# Allegro board STANDARD.brd (continued)
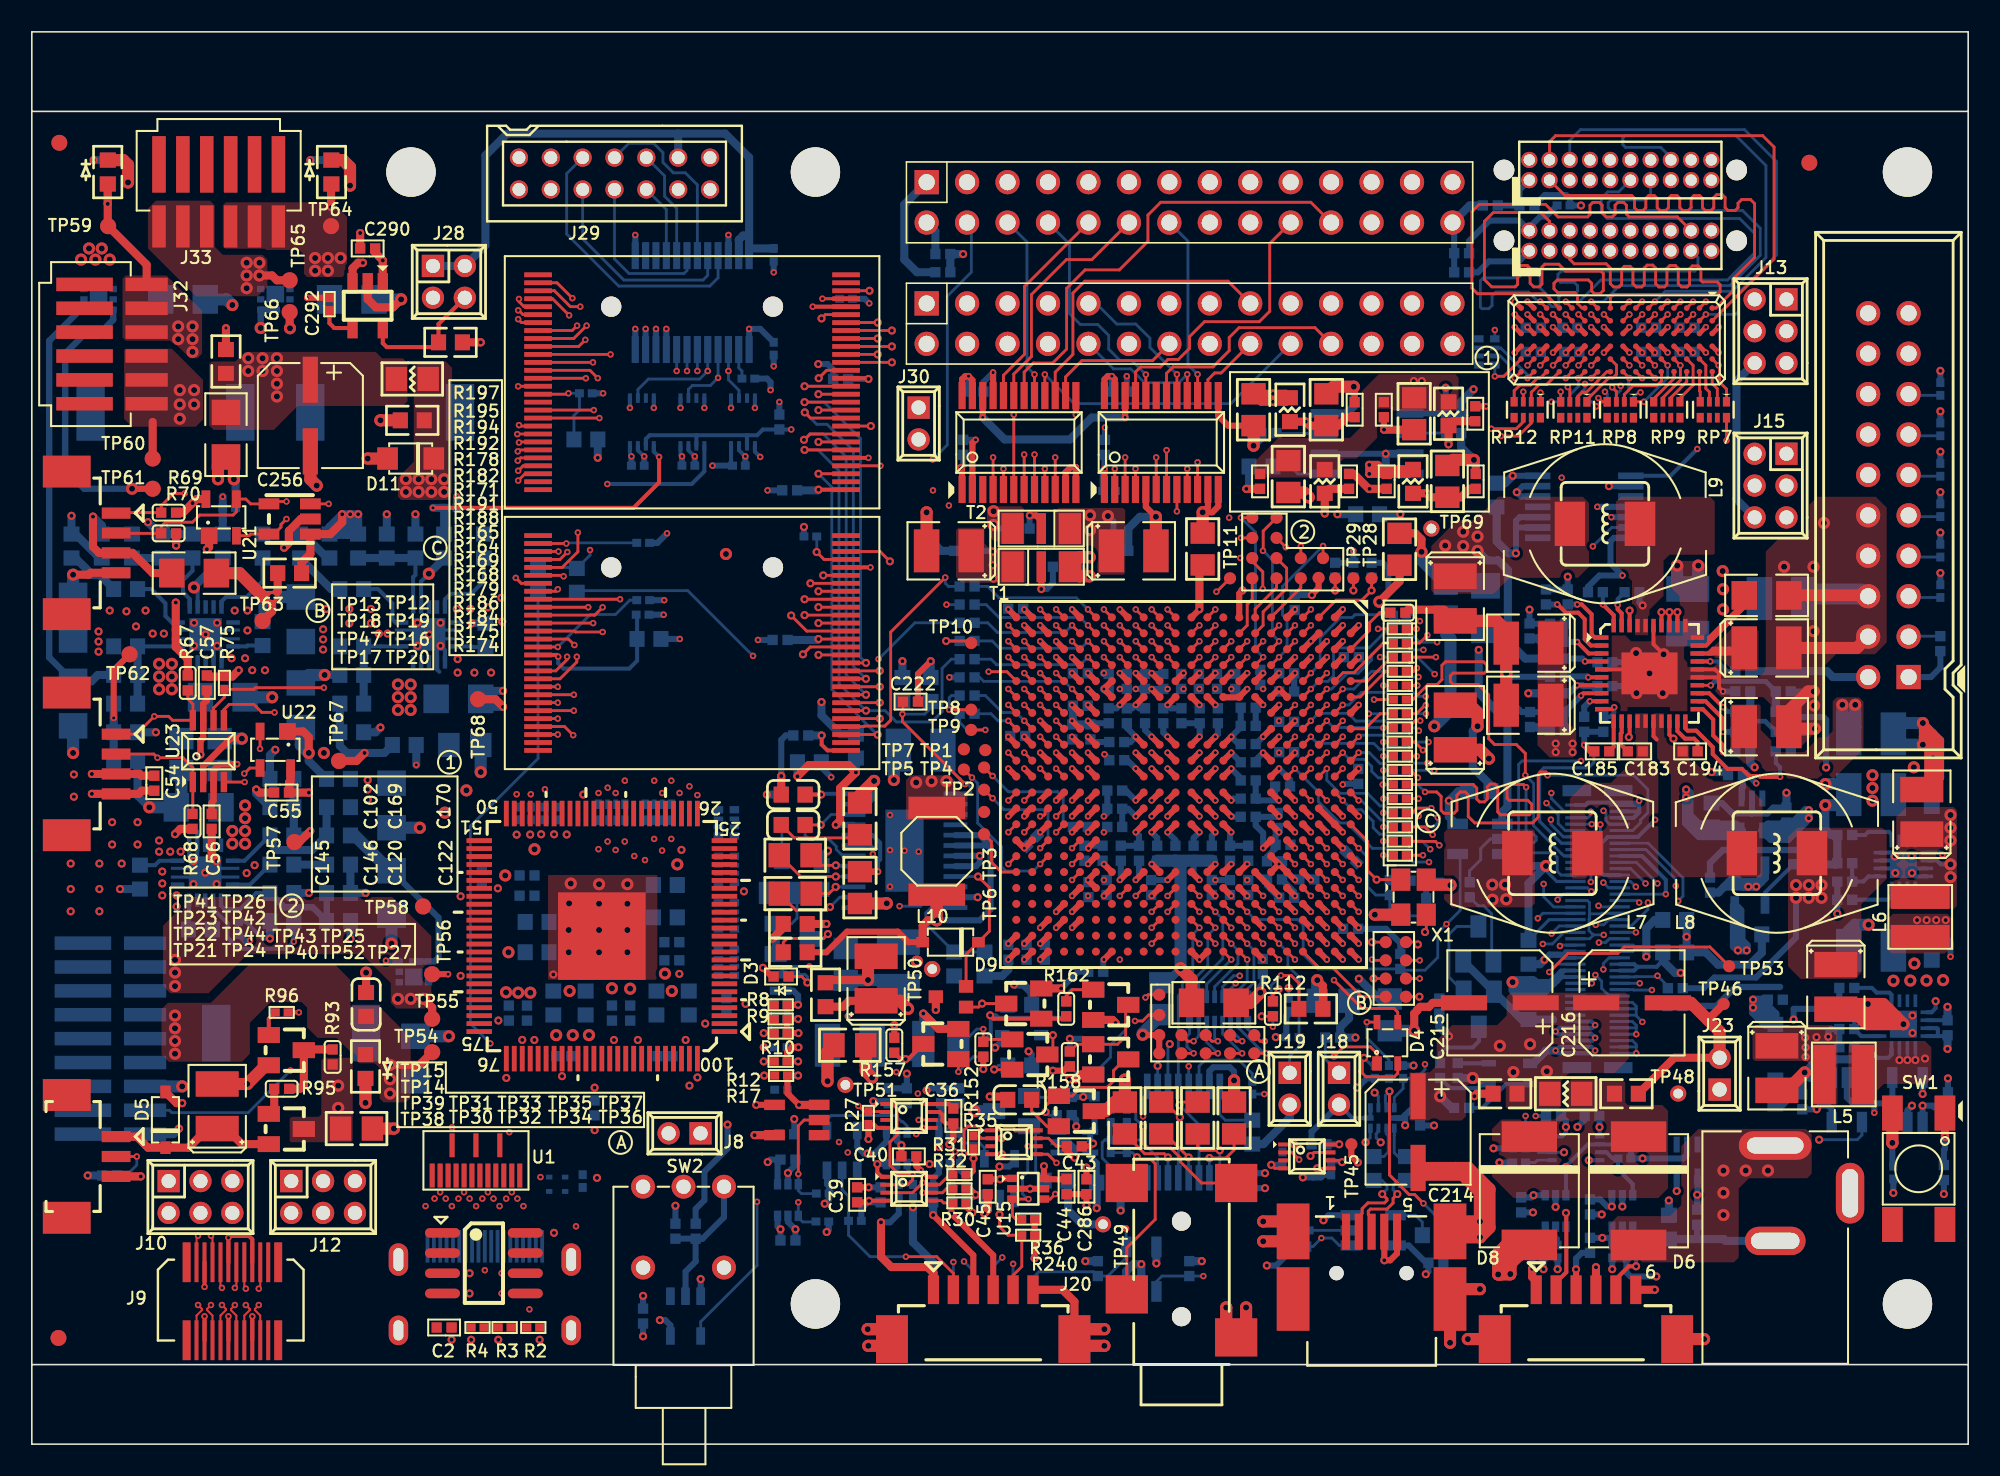
[diagram p0: board, top side]
## Nets (continued)

## Via types
v1: diameter 0.508, hole 0.254, TOP to BOTTOM, 502 vias
v2: diameter 0.762, hole 0.381, TOP to BOTTOM, 264 vias
v3: diameter 0.406, hole 0.203, TOP to BOTTOM, 914 vias

## Routing (per net, layer and track width the routed paths; a pad name or vN(x,y) marks a point on that pad's centre or on a via; arc(x,y) is an arc through that point)
GND: length 968
  TOP w0.178: U20.33 v1(53.25,45.59) ; v1(80.3,18.11) 80.52,18.33 U25.7 ; v1(77.84,17.55) 78.06,17.33 U25.4 ; U14.7 63.84,19.22 64.35,18.72 C43.2 ; U14.4 v1(60.92,18.22)
  TOP w0.245: v3(106.21,47.3) 105.95,47.55 105.95,48.18 ; U33.26 105.71,48.68 105.95,48.43 105.95,48.18 ; U19.33 v3(52.54,61.97) ; 105.95,48.18 U33.25 ; U33.5 101.34,48.68 v2(101.59,48.43) ; v2(102.47,49.63) 101.84,50.26 U33.35
  TOP w0.254: U10.7 57,20.87 57.19,20.68 57.19,20.35 57.39,20.15 C36.2 ; J9.16 13.84,12.88 13.64,13.08 12.45,13.08 v3(12.34,12.98) J9.10 ; J9.9 v3(12.34,8.03) ; U10.4 53.1,19.87 52.87,20.09 R27.2 ; J9.4 v3(10.84,9.88) ; v1(52.58,15.29) 52.66,15.29 52.68,15.3 U12.4 ; R35.2 v1(59.14,17.95) 59.14,17.14 58.94,16.94 R31.2 ; U19.52 v3(49.04,71.47) ; U20.52 v3(52.66,55.09) ; J9.3 v3(10.84,8.03) ; J9.15 v3(13.84,8.03)
  TOP w0.3: U6.R1 v3(93.93,71.78) ; U6.G3 v3(101.13,70.18) ; U6.K3 v3(97.93,70.18) ; U6.T1 v3(93.13,71.78) ; U6.M4 v3(96.33,68.58) ; U6.G4 v3(101.13,68.58) ; U6.E3 v3(102.73,70.18) ; U6.M3 v3(96.33,70.18) ; U6.B4 v3(105.13,68.58) ; U6.R2 v3(93.93,70.98) ; U6.N3 v3(95.53,70.18) ; U6.E4 v3(102.73,68.58) ; U6.D4 v3(103.53,68.58) ; U6.T2 v3(93.13,70.98) ; U6.T3 v3(93.13,70.18) ; U6.A3 v3(105.93,70.18) ; U6.J3 v3(98.73,70.18) ; U6.B3 v3(105.13,70.18) ; U6.D3 v3(103.53,70.18) ; U6.H3 v3(100.33,70.18) ; U6.N4 v3(95.53,68.58) ; U6.K4 v3(97.93,68.58) ; U6.R4 v3(93.93,68.58) ; U6.R3 v3(93.93,70.18)
  TOP w0.38: J21.4 v1(84.93,11.55) 85.3,11.55 85.73,11.98 J21.5 ; v1(96.98,10.98) J14.3 ; TP38.1 TP39.1 69.78,25.7 v2(69.76,25.73) ; C40.2 v1(54.61,18.79) ; v1(59.27,15.67) 58.89,16.05 R32.2 ; C44.2 C286.2 v1(66.23,15) ; C36.2 57.87,19.1 v1(57.62,18.84) ; J11.3 59.12,11.88 v1(56.6,14.4) ; U7.U15 66.36,37.48 v3(66.36,37.44) ; C43.2 65,18.42 65.42,18 v1(65.49,18) ; R27.2 v1(52.54,19.17) ; R17.1 47.45,22.04 v1(48.18,21.32) ; v1(80.39,53.35) 80.39,53.38 80.81,53.8 TP52.1 ; D3.2 46.47,29.38 45.92,29.93 v1(45.91,29.93) ; U15.2 v1(62.69,16.05) U15.5 ; v1(52.58,15.29) 52.49,15.2 C39.2 ; U7.Y14 v3(63.32,38.45) ; R240.2 v1(62.97,11.68)
  TOP w0.381: U7.C14 v3(81.32,38.45) ; U7.E5 v3(79.32,48.45) ; U7.D20 v3(80.32,32.45) ; U7.D4 v3(80.32,49.45) ; U7.AB11 v3(61.32,42.45) ; U7.A2 v3(83.32,51.45) ; U7.L22 v3(73.32,30.45) U7.K22 ; U7.V19 v3(65.32,33.45) ; U7.W19 v3(64.32,33.45) ; T2.2 63.39,58.03 63.07,58.35 v1(62.67,58.35) ; U7.AA9 v3(62.32,44.45) ; U7.N11 v3(70.32,42.45) ; U7.J10 v3(75.32,43.45) ; U7.A22 v3(83.32,30.45) ; U7.Y2 v3(63.32,51.45) ; U7.M17 v3(71.32,35.45) ; U7.M14 v3(71.32,38.45) ; U8.13 v3(65.57,64.69) ; T1.2 v1(63.39,53.73) ; U7.M10 v3(71.32,43.45) ; v3(82.32,38.45) U7.B14 U7.C13 ; U7.E18 v3(79.32,34.45) ; v1(76.03,53.65) 75.82,53.44 U7.H1 ; U7.AA1 v3(62.32,52.45) ; U7.Y21 v3(63.32,31.45) ; v2(70.59,58.27) 69.96,58.9 U9.5 ; U7.M9 v3(71.32,44.45) ; C102.1 83.07,66.39 v2(83.02,66.44) ; U7.J12 v3(75.32,40.45) ; U9.11 73.86,58.88 v2(73.53,58.55) 74.14,58.55 74.51,58.92 U9.12 ; U7.AA13 62.82,39.94 62.72,39.94 62.45,39.67 62.45,39.57 v3(62.32,39.45) ; U7.M13 v3(71.32,39.45) ; U7.J11 v3(75.32,42.45) ; U7.K13 v3(74.32,39.45) ; U7.P11 v3(69.32,42.45) ; U8.2 59.07,62.9 v3(59.27,63.11) ; U8.11 64.92,61.07 65.24,61.39 v3(65.57,61.39) U8.12 ; U7.W20 v3(64.32,32.45) ; U7.AB13 v3(61.32,39.45) ; U7.J13 v3(75.32,39.45) ; U7.K11 v3(74.32,42.45) ; U7.J14 v3(75.32,38.45) ; U7.A7 v3(83.32,46.45) ; U7.C20 v3(81.32,32.45) ; U7.B20 v3(82.32,32.45) ; v3(97.49,43.93) 97.89,43.53 C185.2 ; U7.Y8 v3(63.32,45.45) ; U7.N13 v3(70.32,39.45) ; U7.P13 v3(69.32,39.45) ; U7.B4 v3(82.32,49.45) ; U7.W4 v3(64.32,49.45) ; U7.B21 v3(82.32,31.45) ; U7.M12 v3(71.32,40.45) ; U7.B1 v3(82.32,52.45) ; U7.K9 v3(74.32,44.45) ; U7.E19 v3(79.32,33.45) ; U7.L11 v3(73.32,42.45) ; U7.AA2 v3(62.32,51.45) ; v1(84.92,63.74) 84.9,63.75 C169.2 ; U7.C22 v3(81.32,30.45) ; U7.P9 v3(69.32,44.45) ; U7.N10 v3(70.32,43.45) ; U7.Y3 v3(63.32,50.45) ; U7.V18 v3(65.32,34.45) ; U7.B22 v3(82.32,30.45) ; U7.D3 v3(80.32,50.45) U7.C2 ; U7.AA11 v3(62.32,42.45) ; U7.C3 v3(81.32,50.45) ; U7.B15 v3(82.32,37.45) ; U7.A13 v3(83.32,39.45) ; U7.D19 v3(80.32,33.45) ; U7.B13 v3(82.32,39.45) ; U7.V4 v3(65.32,49.45) ; U7.K10 v3(74.32,43.45) ; U7.F14 v3(78.32,38.45) ; U7.W3 v3(64.32,50.45) ; U7.N12 v3(70.32,40.45) ; U7.N9 v3(70.32,44.45) ; U7.L10 v3(73.32,43.45) ; U7.L12 v3(73.32,40.45) ; U7.K14 v3(74.32,38.45) ; C170.2 v3(91.34,65.21) ; U7.A21 v3(83.32,31.45) ; U7.V7 v3(65.32,46.45) ; U7.J9 v3(75.32,44.45) ; C292.2 v3(17.29,72.03) ; U7.L14 v3(73.32,38.45) ; U7.B2 v3(82.32,51.45) ; U7.V14 v3(65.32,38.45) ; U7.U8 v3(66.32,45.45) ; U7.D17 v3(80.32,35.45) ; U7.E4 v3(79.32,49.45) ; U7.AB22 v3(61.32,30.45) ; U7.R1 v3(68.32,52.45) ; U7.L13 v3(73.32,39.45) ; U7.W10 v3(64.32,43.45) ; U7.M11 v3(71.32,42.45) ; U7.V20 v3(65.32,32.45) ; U7.P12 v3(69.32,40.45) ; U7.P14 v3(69.32,38.45) ; U7.L9 v3(73.32,44.45) ; U7.Y12 v3(63.32,40.45) ; v3(60.37,67.34) U8.21 ; U7.F9 v3(78.32,44.45) ; U9.13 74.51,64.61 75.12,64 C100.2 ; U7.N6 v3(70.32,47.45) ; U7.K12 v3(74.32,40.45) ; U7.AA21 v3(62.32,31.45) ; U7.P10 v3(69.32,43.45) ; U7.C21 v3(81.32,31.45) ; U7.N14 v3(70.32,38.45) ; R240.2 R36.2 ; U7.B3 v3(82.32,50.45) ; U7.C19 v3(81.32,33.45) ; U7.F11 v3(78.32,42.45) ; U7.W12 v3(64.32,40.45) ; U7.C4 v3(81.32,49.45) ; U7.Y10 v3(63.32,43.45) ; U7.V5 v3(65.32,48.45) ; U7.V8 v3(65.32,45.45) ; U7.Y20 v3(63.32,32.45)
  TOP w0.4: U23.2 10.76,42.6 12.49,44.33 v2(13.19,44.33)
  TOP w0.5: 119.84,43.71 119.84,44.23 119.39,44.67 ; 119.84,43.71 119.84,41.88 119.09,41.13 C69.1 119.09,41.53 ; 119.84,43.71 118.97,44.58 ; 118.97,44.58 118.97,44.25 ; 118.97,44.58 118.97,45.1 ; 118.97,44.25 118.76,44.46 ; 118.97,44.25 119.39,43.83 ; 119.09,41.53 119.39,41.83 v1(119.39,43.15) 119.39,43.83 ; 119.09,41.53 119.09,43.62 v2(118.76,43.95) 118.76,44.46 ; 119.39,44.67 118.97,45.1 ; 119.39,44.67 119.39,43.83 ; 118.97,45.1 v2(118.76,45.31) 118.76,44.46 ; J23.2 103.15,24.28 C212.1
  TOP w0.508: U44.2 16.89,58.13 16.14,57.38 16.14,56.63 v1(15.84,56.33) ; C290.2 v1(20.62,76.1) ; TP63.1 15.09,52.33 v2(15.09,53.23) 15.44,53.58 C251.1 ; R197.1 86.44,52.43 88.69,52.43 C204.1 ; C168.2 v1(84.92,63.74) ; Q7.3 v1(64.64,28.63) ; U21.1 11.13,56.37 v1(10.99,56.23) ; C219.1 81.08,28.8 v2(80.72,29.16) ; J11.8 65.47,8.96 64.73,9.7 J11.6 ; U5.3 v1(48.18,21.32) ; Q14.1 56.95,26.09 v1(55.98,27.06) ; U22.1 17.04,44.78 17.39,44.43 v2(17.39,43.43) ; J14.6 v1(101.92,9.7) ; C56.2 11.29,36.95 v1(11.6,36.64) ; J22.3 v1(6.84,16.83) ; C120.2 v1(84.01,60.03) 83.96,60.03 83.02,60.96 C146.2 ; D5.1 9.09,21.43 v1(9.44,21.43) ; v2(2.59,54.63) 3.57,54.63 3.69,54.75 J16.4 ; C213.1 90.74,22.02 v1(90.59,21.87) ; C122.1 90.67,61.73 v2(90.56,61.85) ; v1(12.99,48.63) 12.59,48.23 R75.2 11.06,48.23 C57.2 ; v2(23.19,71.93) 22.69,71.43 21.6,71.43 21.09,71.94 U50.2 ; v1(29.59,46.33) 29.11,46.81 TP68.1 ; 105.24,26.68 105.27,26.68 TP46.1 ; v1(59.82,14.5) 60.03,14.72 C45.2 ; v1(3.77,40.86) J17.4 6.72,40.86 6.92,41.06 C54.1 ; C224.1 50.02,29.17 v2(52.51,29.17) ; C291.1 v1(28.19,69.23) ; R142.2 v1(47.06,41.98) ; v1(65.14,22.93) 65.58,22.93 65.87,23.23 Q13.1 ; C230.1 v1(49.9,32.69) ; R201.1 v2(20.99,29.63) ; C145.2 v1(76.27,60.03) ; Q15.1 67.86,26.66 v1(68.06,26.46) ; C124.2 86.89,57.23 87.27,56.85 v2(87.27,56.07) ; C55.1 14.28,40.94 v1(14.09,41.13) ; C254.1 v3(12.19,70.13) ; C215.2 87.99,27.73 87.74,27.48 87.19,27.48 86.99,27.28 86.99,27.24 86.81,27.06 v2(86.81,25.97)
  TOP w0.76: J23.2 105.99,25.93 104.19,27.73 C216.2 ; 92.26,10.66 92.85,11.25 ; 92.26,10.66 92.82,10.66 v2(92.85,10.69) ; 92.26,10.66 v2(92.09,10.66) 92.09,12.01 ; 92.85,11.25 92.09,12.01 ; 92.85,11.25 92.85,11.32 93.38,11.86 ; 92.85,11.25 v2(92.85,10.69) ; 89.84,16.93 90.94,15.83 v2(90.94,13.99) ; 89.84,16.93 87.48,16.93 C214.2 89.42,17.36 ; 89.84,16.93 89.42,17.36 ; v2(13.53,22.63) 14.7,23.81 Q2.1 ; 117.05,26.88 116.6,27.33 ; 117.05,26.88 115.42,26.88 114.97,27.33 116.6,27.33 ; 117.05,26.88 v2(117.54,26.39) 115.23,26.39 114.29,27.33 ; 116.6,27.33 116.27,27.66 v2(115.3,27.66) 113.62,27.66 C192.1 ; v2(52.89,41.67) 52,40.78 C225.1 ; 93.38,11.86 93,11.86 92.85,11.71 92.85,11.24 v2(92.85,10.69) ; 93.38,11.86 D8.2 92.59,12.52 92.09,12.01 ; X1.2 v2(84.34,33.27) ; J21.6 90.32,13.37 v2(90.94,13.99) ; v2(90.94,13.99) 90.94,13 v2(90.94,13) 91.54,13.6 91.54,16.03 90.22,17.36 89.42,17.36 ; v2(53.69,33.98) 53.66,33.98 53.65,33.97 C235.2 ; X1.4 87.89,35.15 89.06,35.15 v2(89.09,35.12) ; C201.2 92.59,51.13 91.99,51.73 C204.1 ; C179.2 v2(92.59,48.43)
  TOP w0.762: v2(13.53,22.63) C67.1 ; C103.2 76.52,27.73 v2(77.15,28.37) ; D11.1 v2(21.09,61.93) ; v2(111.9,47.3) 111.56,47.3 110.34,46.08 C181.2 110.47,44.95 v2(111.97,44.95) ; v2(77.33,12.74) 78.59,12.74 J21.8 78.59,13.99 v2(77.33,13.99) ; v2(105.01,6.6) J14.8 ; v2(111.33,23.35) 110.21,22.23 C71.1 ; C253.1 v2(21.89,64.33) ; v2(52.51,29.17) 52.51,30.15 C223.1 ; v2(90.56,61.85) 89.25,61.85 C121.2 ; Q10.3 67.42,20.93 67.99,21.49 C61.2 v2(68.64,22.91) ; C252.1 13.04,54.73 14.54,53.23 v2(15.09,53.23) ; v2(90.94,9.74) 89.68,9.74 J21.7 89.06,9.11 v2(89.06,6.37) ; C66.1 v2(22.74,19.83) ; v2(90.94,13.99) 89.68,13.99 J21.6 89.43,13 v2(90.94,13) ; v2(52.53,6.18) 53.59,6.18 J11.7 53.39,7.23 v2(52.49,7.23) ; C100.2 v2(76.72,62.74) ; v2(115.3,27.66) 114.97,27.33 C192.1 ; C256.2 17.49,60.63 v2(17.89,60.23) ; v2(12.69,60.63) 12.69,61.53 C255.1 11.69,61.53 v2(11.69,60.63) ; C59.2 v2(75.5,22.86) ; v2(83.02,66.44) 81.74,66.44 C101.2 ; J24.4 114.61,50.03 C210.2 ; C125.2 v2(73.53,58.55) ; v2(67.35,7.23) 66.1,7.23 J11.8 65.9,6.18 v2(67.35,6.18) ; v2(75.01,8.59) 75.01,7.33 J20.1 76.25,7.33 v2(76.25,8.59) ; C201.2 v2(92.59,48.43) ; C82.1 v2(70.59,58.27) ; C209.1 115.27,53.33 J24.6 ; v2(52.77,23.03) 52.37,23.43 C232.2 ; C144.2 79.89,59.8 v2(80.19,59.5) ; C184.1 90.33,46.43 90.79,45.97 v2(90.79,45.11) ; v2(90.18,6.6) J14.7 ; C79.1 v2(56.19,58.55)
  BOTTOM w0.178: v3(102.61,34.56) J27.M26 ; v3(100.74,32.16) J27.M20 ; J27.M12 v3(100.98,28.96)
  BOTTOM w0.2: J27.P22 95.29,32.96 C242.1 ; J27.P28 95.76,35.36 95.09,36.03 v2(95.09,36.33) ; v3(97.49,43.93) 98.09,43.33 98.09,42.83 97.76,42.5 94.96,42.5 94.69,42.23 94.69,39.13 96.06,37.76 J27.P34
  BOTTOM w0.245: 117.29,26.64 116.79,27.14 U29.8 ; 117.29,26.64 v2(117.54,26.39) 117.29,26.14 U29.6 ; 117.29,26.64 U29.7 ; v3(44.81,62.07) 44.7,62.18 44.68,62.18 44.41,62.45 U40.7 ; v3(38.46,62.07) 38.35,62.18 38.33,62.18 38.06,62.45 U43.7 ; v3(52.82,37.08) 52.82,37.12 52.81,37.13 52.81,37.47 52.66,37.62 52.1,37.62 ; v3(41.63,62.07) 41.52,62.18 41.51,62.18 41.23,62.45 U41.7
  BOTTOM w0.254: U28.16 118.28,35.67 v1(118.07,35.89) 118.36,36.17 U28.15 ; 100.94,39.7 100.94,40.08 ; 100.94,39.7 100.88,39.76 J27.M39 ; 100.94,39.7 100.6,39.36 J27.M38 ; 100.94,40.08 v3(100.94,40.43) 100.82,40.31 97.72,40.31 97.57,40.16 J27.P40 ; 100.94,40.08 100.86,40.16 J27.M40 ; U40.1 v3(43.91,65.11) ; U41.1 v3(40.73,65.11) ; U46.2 11.91,49.88 v1(11.63,50.16) 11.41,49.94 U46.3 ; U41.4 v3(42.23,65.11) ; U40.4 v3(45.41,65.11) ; U28.8 116.75,37.17 v1(116.99,36.93) 116.73,36.67 U28.7 ; U43.4 v3(39.06,65.11) ; 119.7,25.64 119.7,26.08 119.64,26.14 U29.15 ; 119.7,25.64 U29.16 ; 119.7,25.64 120.26,25.64 C142.2 ; U28.6 116.74,36.17 v1(117.03,35.89) ; C51.2 94.52,20.62 94.51,20.62 v3(94.44,20.62) ; J27.P3 98.01,25.36 v3(98.18,25.53) 97.95,25.76 J27.P4 95.86,25.76 v3(95.69,25.93) 95.92,26.16 J27.P5 98.01,26.16 v3(98.18,26.33) 97.95,26.56 J27.P6 ; U18.4 v1(97.77,17.84) ; J27.M32 101.11,36.96 102.61,35.46 v3(102.61,34.56) ; v2(52.89,41.67) 52.89,40.59 52.52,40.22 U38.23 ; J18.2 82.93,20.49 U27.5 84.06,20.6 U27.6 ; U43.1 v3(37.56,65.11) ; 52.1,37.62 U38.19 ; 10.14,38.73 10.38,38.49 U45.3 10.38,36.87 v1(10.15,36.64) 9.88,36.91 U45.2 ; 25.59,48.53 25.44,48.68 U47.3 25.44,49.94 v1(25.66,50.16) 25.94,49.88 U47.2 ; J27.P2 95.92,24.96 v3(95.69,24.73) 95.86,24.56 J27.P1 98.01,24.56 v3(98.18,24.73) 97.95,24.96 J27.P2
  BOTTOM w0.38: U38.8 59.29,36.32 59.53,36.56 v1(59.53,36.97) U38.7 ; v3(73.32,38.45) 72.96,38.08 C92.2 ; v1(55.33,14.88) R29.2 ; v1(56.19,22.23) 56.32,22.36 C42.2 C295.2 ; v1(101.15,17.95) R44.2 R43.2 ; v1(65.49,18) 65.49,18.59 65.11,18.97 U48.2 ; v1(110.64,26.68) 110.64,27.35 ; v1(96.98,10.98) 96.98,11.67 97.33,12.02 C49.2 ; C3.2 v1(47.95,13.5) 47.95,13.5 47.48,13.97 U4.5 ; C139.2 C140.2 75.25,38.37 v3(75.32,38.45) ; U13.2 v1(57.62,18.84) ; R113.1 v3(57.62,48.18) ; U24.15 73.95,23.44 74.19,23.68 75.23,23.68 75.5,23.42 v2(75.5,22.86) ; v1(118.07,21.27) 118.07,21.26 117.79,20.98 U31.2 ; U11.2 54.32,19.08 v1(54.61,18.79) ; C5.2 v1(47.88,20.43) ; R21.1 R20.1 v1(48.12,26.72) ; U17.2 v1(99.88,14.93) ; v3(70.32,44.45) 69.91,44.86 C116.2 ; C86.2 C97.2 ; U51.3 49.94,16.33 50.07,16.2 R14.2 50.07,15.39 v1(49.79,15.11) ; R87.2 v1(77.84,17.55) ; v3(70.32,47.45) 70.33,47.46 C151.2 ; U55.3 v1(42,10.37) ; C37.2 52.66,15.2 v1(52.58,15.29) ; v1(49.92,13.33) 50.04,13.46 R13.2 ; v3(70.32,38.45) 70.67,38.1 C118.2 ; v1(60.49,24.91) 60.94,25.36 D10.2 ; R22.1 v1(48.12,24.05) ; v3(82.32,41.45) 82.36,41.49 C177.2 ; R42.2 R45.2 v1(91.79,18.59) ; C298.2 v1(38.39,9.32) ; C4.2 47.95,17.54 47.48,17.07 v1(47.48,17.04) U4.2 ; U38.11 v1(59.4,34.37) ; C76.1 119.47,21.17 119.37,21.27 v1(118.74,21.27) U31.1 ; R86.2 81.11,16.92 80.96,16.76 80.48,16.76 v1(79.82,16.76) ; C218.2 87.56,35.37 C217.2 88.59,35.4 88.84,35.15 89.06,35.15 v2(89.09,35.12) ; v3(71.32,38.45) 71.82,37.96 C91.2 ; C299.2 v1(40.42,14.98) ; R92.2 v1(86.77,23.79) ; C143.2 69.33,47.46 v3(69.32,47.45) ; v3(71.32,44.45) 71.05,44.72 C115.2 ; v2(92.85,10.69) 92.85,11.34 C47.2 ; v3(74.32,38.45) 74.1,38.23 C105.2 ; R38.2 v1(94.93,10.99) ; C164.2 v1(80.39,53.35) ; v3(73.32,44.45) 73.34,44.47 C110.2 C119.2 ; v1(81.11,14.07) 81.43,14.38 U26.3 ; C288.2 104.58,12.91 104.61,12.89 ; v2(77.15,28.37) 77.15,28.78 77.3,28.93 C160.2 ; C58.1 v1(77.44,16.09) ; v1(59.27,15.67) 59.12,15.52 R34.2 ; C147.2 66.06,21.85 v1(66.02,21.81) R156.1 ; C94.2 C93.2 69.53,38.24 v3(69.32,38.45) ; R40.2 v1(99.25,10.99) ; J18.2 80.4,19.64 80.36,19.64 C63.2 ; R111.1 v1(120.08,15.72) ; U16.2 v1(95.69,14.91) ; C38.2 C294.2 v1(54.95,23.28) ; v2(90.94,9.74) 89.27,9.74 88.64,10.37 C64.1 ; R114.2 78.93,27.01 78.78,26.86 R74.2 v1(78.12,25.57) ; C46.2 v1(94.27,14.56) ; C166.2 C167.2 ; C75.1 R235.1 ; C65.2 v1(88.06,20.02) ; C48.2 v1(98.59,14.44)
  BOTTOM w0.381: C34.2 v3(67.39,63.88) ; U42.13 v3(37.89,75.98) ; v1(49.39,67.87) 49.97,67.87 50.32,67.52 C284.1 ; C149.2 68.99,44.12 v3(69.32,44.45) 68.77,45.01 C96.2 ; R46.2 39.29,56.63 v3(39.89,57.23) ; R116.1 C186.2 v3(97.49,43.93) ; C163.2 66.56,45.3 C98.2 ; v1(101.15,17.95) 103.71,17.95 103.95,18.19 U49.2 ; v1(62.67,58.35) 62.66,58.34 C83.2 ; R139.2 13.37,31.64 v3(13.7,31.64) ; U42.9 v3(39.84,70.08) ; C148.2 82.53,37.24 v3(82.32,37.45) ; v3(75.32,39.45) 75.36,39.42 C152.2 ; C205.2 96.45,53.7 R127.1 v1(96.45,54.5) ; R129.1 100.17,49.13 v2(100.75,49.7) ; C111.2 74.48,44.61 v3(74.32,44.45) ; 93.2,57.6 93.2,58.01 93.44,58.24 U37.10 ; 93.2,57.6 93.21,57.59 U37.9 ; 93.2,57.6 93.2,55.98 93.2,55.98 ; R239.2 52.09,14.8 v1(52.58,15.29) ; v3(75.32,43.45) 75.92,42.85 C174.2 ; C249.2 v3(41.63,62.07) ; U37.13 93.63,60.19 v1(93.25,59.81) 93.52,59.54 U37.12 ; C32.2 59.76,66.73 v3(60.37,67.34) ; U42.12 v3(37.89,70.08) ; v3(69.32,42.45) 68.8,42.97 C161.2 ; R124.1 v2(111.9,47.3) ; U42.10 v3(39.19,70.08) ; R130.1 92.81,48.22 v2(92.59,48.43) 92.59,46.97 93.56,46 C188.1 95.31,46 C190.1 ; C127.2 C128.2 ; v3(65.32,38.45) 65.38,38.5 C141.2 ; v1(97.28,77.83) R25.2 96.59,78.24 96.35,78.48 95.01,78.48 C21.2 ; v1(63.39,53.73) 63.74,53.73 64.12,54.11 C80.2 ; v3(71.32,35.45) 71.32,35.44 C131.2 ; v1(47.06,41.98) 47.06,44.25 47.34,44.53 C53.1 ; C108.2 79.02,41.76 v3(78.32,42.45) ; R57.2 v3(40.69,50.59) ; R235.1 113.38,27.35 110.64,27.35 ; R47.2 v3(39.71,53.03) ; C88.2 79.27,34.71 78.51,35.47 C104.2 ; U42.11 v3(38.54,70.08) ; C248.2 v3(46.59,73.63) ; C285.1 v3(45.6,50.53) ; C99.2 C87.2 ; C132.2 C117.2 ; v3(68.32,47.45) 68.33,47.46 C135.2 ; U37.7 99.35,56.94 99.14,56.73 99.14,55.33 v3(99.89,54.58) 98.44,54.58 97.72,53.86 C203.2 ; v1(94.05,52.43) C206.1 94.07,51.55 C207.1 ; v3(78.32,38.45) 78.1,38.23 C153.2 78.1,37.44 77.57,36.9 C109.2 ; C97.2 75.92,45.04 v3(75.32,44.45) 75.78,43.99 C173.2 ; v3(69.32,39.45) 68.85,39.93 C167.2 ; v3(75.32,42.45) 75.92,41.85 C95.2 ; v1(97.06,19.93) 97.06,19.94 97.51,20.38 C50.2 ; C197.1 v3(106.21,47.3) ; U42.22 v3(43.74,75.98) ; C156.2 68.71,41.07 v3(69.32,40.45) ; C52.1 v3(46.2,59.93) ; C250.2 v3(38.46,62.07) ; 89.22,76.76 89.32,76.65 C23.2 C22.2 ; R119.1 100.33,47.63 v2(100.77,47.19) ; C74.1 120.11,31.91 120.49,31.53 v3(120.49,30.63) ; C165.2 65.69,29.69 v1(64.64,28.63) ; 108.99,39.63 109.36,40 C187.2 ; 107.99,39.63 108.03,39.67 U34.2 ; R20.1 R19.1 ; C33.2 v3(59.27,63.11) ; C246.2 v3(44.81,62.07) ; v3(75.32,40.45) 75.43,40.56 C112.2 ; C35.2 v3(68.76,67.11) ; C247.2 v3(46.59,67.73)
  BOTTOM w0.4: 107.89,37.33 111.29,37.33 111.56,37.06 C236.1 ; 107.89,37.33 U39.2 ; 107.89,37.33 106.19,37.33 105.39,36.53 C233.1 ; C241.1 105.79,27.53 106.99,28.73 109.79,28.73 ; C189.1 106.14,40.28 106.79,39.63 108.99,39.63
  BOTTOM w0.5: R149.1 60.93,29.42 61.33,29.82 C150.2 ; R238.2 v3(26.69,59.53)
  BOTTOM w0.508: C289.1 106.26,12.89 106.37,12.77 J26.2 ; v1(55.33,14.88) 55.33,12.69 56.62,11.4 J25.6 ; U36.3 92.9,37.08 93.65,36.33 v2(95.09,36.33) 93.99,35.23 C242.1 ; v1(14.09,41.13) 14.09,40.89 C263.1 ; v1(7.29,57.93) 8.04,57.18 R215.1 C271.1 ; U32.1 111.65,23.04 v2(111.33,23.35) ; v1(2.49,58.33) C270.1 2.74,57.18 4.24,55.68 C273.1 ; U30.3 68.72,10.86 69.17,11.31 v1(69.67,11.31) U30.2 ; v1(20.96,34.64) C262.1 C261.1 ; C282.1 18.54,55.68 17.04,57.18 C280.1 16.69,57.18 v1(15.84,56.33) ; v3(67.32,48.45) 67.57,48.45 C154.2 ; C81.2 68.86,57.54 69.59,58.27 v2(70.59,58.27) ; Q11.1 v1(55.98,27.06) ; 89.22,76.76 90.29,77.83 C20.2 ; R226.1 v1(22.29,58.43) ; v2(111.33,23.35) 112.16,24.18 114.63,24.18 114.93,23.88 U32.3 ; v2(111.33,23.35) 111.19,23.21 C77.1 110.54,21.98 109.94,21.38 C240.2 ; v1(93.2,55.98) 93.2,55.98 92.74,55.98 91.99,56.73 C211.1 ; R212.1 v1(3.88,80.68) ; v2(17.39,43.43) 17.39,42.92 C264.1 ; R211.1 14.49,52.63 v2(15.09,53.23) ; v1(120.3,24.84) C142.2 ; C281.1 v3(24.14,42.68) ; v2(7.38,40.02) 6.64,40.75 C272.1 ; v2(90.79,45.11) 90.49,44.81 90.49,42.53 91.64,41.38 C208.1 ; C187.2 v1(110.19,40.93) ; R110.1 v1(73.47,11.5) ; v1(58.48,74.78) C19.2 C18.2 ; C234.1 108.64,30.88 107.89,30.13 105.89,30.13 105.12,30.9 C243.1 v1(103.92,31.88) C244.1 ; C196.2 R122.1 107.92,42.8 v1(108.19,42.53) ; C195.2 110.46,43.53 C198.1 111.3,44.76 111.5,44.95 v2(111.97,44.95) ; R125.2 89.76,62.65 v2(90.56,61.85) ; v1(9.24,19.83) 8.89,19.48 J31.1 ; R204.1 v1(17.4,34.64) ; v1(119.39,43.15) 119.39,41.64 C72.1 ; v2(12.69,60.63) 12.79,60.53 R237.2 ; v1(50,37.28) 49.6,36.88 C228.1 ; v3(95.69,24.73) 95.09,24.73 94.29,23.93 D7.1 ; v2(112.63,40.15) 112.63,38.63 112.99,38.27 C73.1 R100.1 113.32,36.43 C236.1 ; 59.82,15.43 v1(59.82,14.5) ; Q4.1 89.92,30.33 Q3.1 93.57,26.68 C245.1 95.54,26.68 ; U35.4 82.58,64.77 83.02,65.21 v2(83.02,66.44) ; C199.1 77.22,63.24 v2(76.72,62.74) ; C163.2 C159.2 65.38,45.26 C114.2 ; v2(56.19,58.55) 56.19,57.05 57.11,56.13 C78.2 ; C279.1 v1(24.09,58.43) ; R200.1 v1(5.54,34.88) ; v1(56.6,14.4) C41.2 ; C200.1 76.44,60.2 v1(76.27,60.03) ; R222.1 v1(27.62,51.58) ; C193.1 v1(81.99,58.43) ; C287.1 v1(68.38,14.68) ; Q15.1 67.86,26.66 v1(68.06,26.46) ; R145.1 v1(54.67,49.2) ; R56.2 v1(35.54,61.98) ; v1(29.59,47.33) 28.69,47.33 C276.1 28.69,46.33 v1(29.59,46.33) ; R223.1 v1(17.49,80.68)
  BOTTOM w0.76: v2(52.53,6.18) 53.6,6.18 J25.8 53.4,7.23 v2(52.49,7.23) ; C260.1 v2(26.19,25.63) ; v2(118.76,45.31) 117.58,45.31 C182.2 117.58,43.95 v2(118.76,43.95) ; v2(67.35,6.18) 65.91,6.18 J25.7 66.11,7.23 v2(67.35,7.23) ; C178.2 88.89,53.93 C171.2 87.27,55.55 v2(87.27,56.07) ; C180.2 115.17,53.13 J24.6 114.91,53.69 111.85,53.69 C180.2
  BOTTOM w0.762: R232.1 16.89,43.93 v2(17.39,43.43) ; C283.1 v2(15.09,53.23) ; R221.1 v2(2.59,43.43) ; C237.2 54,29.17 v2(52.51,29.17) 52.51,29.15 C238.2 ; C123.2 v2(80.72,29.16) ; v2(104.65,55.2) 104.65,54.39 C191.2 103.33,54.39 v2(103.33,55.2) ; C267.1 v2(15.09,46.93) ; C259.2 v2(13.19,44.33) ; v2(54.14,41.73) 54.14,43.33 C221.1 ; C84.2 v2(86.81,25.97) ; v2(112.63,41.47) 113.44,41.47 C68.2 113.44,40.15 v2(112.63,40.15) ; v2(2.59,54.63) C274.1 ; v2(69.76,25.73) 69.76,25.82 C85.2 ; C70.2 114.1,32.25 114.49,32.64 v2(115.35,32.64) ; v2(7.38,40.02) C258.1 9.39,40.33 C268.2 ; C265.1 v2(24.37,38.73) ; C231.2 v2(52.77,23.03) ; 60.43,20.93 v2(59.19,20.93) ; C278.1 v2(23.19,71.93) ; v2(12.59,71.57) 12.23,71.93 C269.1 ; C277.2 v2(28.19,42.23) ; R210.1 v2(22.59,31.45)
  vias: v1(2.44,36.48) v1(2.44,34.88) v1(2.44,33.48) v1(2.64,42.08) v1(2.64,40.68) v1(4.24,36.48) v1(4.24,34.88) v1(4.24,33.48) v1(4.89,52.38) v1(5.04,39.08) v1(5.04,37.68) v1(5.64,36.48) v1(5.94,52.33) v1(6.54,51.38) v1(6.64,39.08) v1(6.64,37.68) v1(7.14,52.38) v1(7.59,50.93) v1(7.99,37.93) v1(7.99,37.23) v1(8.19,35.98) v1(8.19,35.23) v1(8.19,34.48) v1(8.29,50.93) v1(8.69,37.23) v1(9.09,34.48) v1(9.09,33.78) v1(9.34,37.23) v1(10.18,51.61) v1(10.18,50.16) v1(10.15,35.19) v1(10.91,50.88) v1(10.88,35.91) v1(11.63,51.61) v1(11.6,35.19) v1(12.54,49.38) v1(12.74,52.38) v1(13.39,49.38) v1(13.49,35.88) v1(13.54,52.38) v1(13.54,51.13) v1(13.84,48.63) v1(13.99,36.38) v1(14.64,48.63) v1(18.49,52.48) v1(19.94,52.48) v1(19.94,51.58) v1(21.29,52.48) v1(21.29,51.58) v1(21.79,50.93) v1(22.34,50.93) v1(24.22,51.61) v1(24.22,50.16) v1(24.94,50.88) v1(25.66,51.61) v1(26.69,52.48) v1(26.74,49.33) v1(26.74,48.48) v1(26.93,34.42) v1(26.93,29.42) v1(27.49,10.74) v1(27.49,9.47) v1(27.54,52.48) v1(27.79,48.48) v1(28.64,52.58) v1(28.84,48.48) v1(29.3,26.62) v1(29.49,53.18) v1(29.54,51.68) v1(29.8,23.01) v1(31.56,25.4) v1(32.75,29.51) v1(33.3,23.12) v1(34.63,40.81) v1(35.34,19.73) v1(36.56,25.4) v1(38.06,25.4) v1(40.66,29.55) v1(40.8,37.34) v1(41.06,25.4) v1(44.72,34.74) v1(44.82,27.67) v1(118.04,36.95) v1(118.1,26.94) v1(118.1,25.84) v2(18.34,43.43) v2(25.94,39.68) v2(27.29,41.08) v2(29.73,35.73) v2(33.74,33.98) v2(33.72,32.31) v2(33.72,30.91) v2(33.77,28.47) v2(33.84,35.23) v2(35.62,35.18) v2(35.62,33.96) v2(35.62,32.31) v2(35.62,30.91) v2(37.4,35.18) v2(37.4,33.96) v2(37.4,32.31) v2(37.4,30.91) v2(40.19,28.47) v2(102.42,47.19) v2(110.04,55.13) v2(111.89,55.13) v2(111.89,51.08) v2(111.93,46.41) v2(112.54,57.88) v3(24.72,14.96) v3(25.64,15.83) v3(26.38,14.96) v3(27.14,15.83) v3(27.9,14.96) v3(28.45,10.93) v3(28.64,15.83) v3(29.37,14.96) v3(30.14,15.83) v3(30.87,14.96) v3(31.25,8.47) v3(31.94,16.78) v3(53.89,39.53) v3(53.89,37.33) v3(53.89,35.03) v3(54.8,37.29) v3(55.69,37.23) v3(66.32,34.45) v3(67.32,35.45) v3(71.32,47.45) v3(72.32,47.45) v3(73.32,47.45) v3(74.32,47.45) v3(74.32,35.45) v3(75.32,47.45) v3(76.32,35.45) v3(77.32,47.45) v3(78.32,45.45) v3(78.32,43.45)
